# Altium PCB LF_UltraLight_JDY08.PcbDoc (part 2 of 2)
Units mil, origin at the board's own origin, x right, y up, seen from the top; angles counter-clockwise.
Board outline 5133.86 x 1917.32 mil, 4 copper layers (Top Layer, Int1 (GND), Int2 (PWR), Bottom Layer), stack 21.665 mil thick; 72 components, 77 nets, 407 pads, 150 vias.
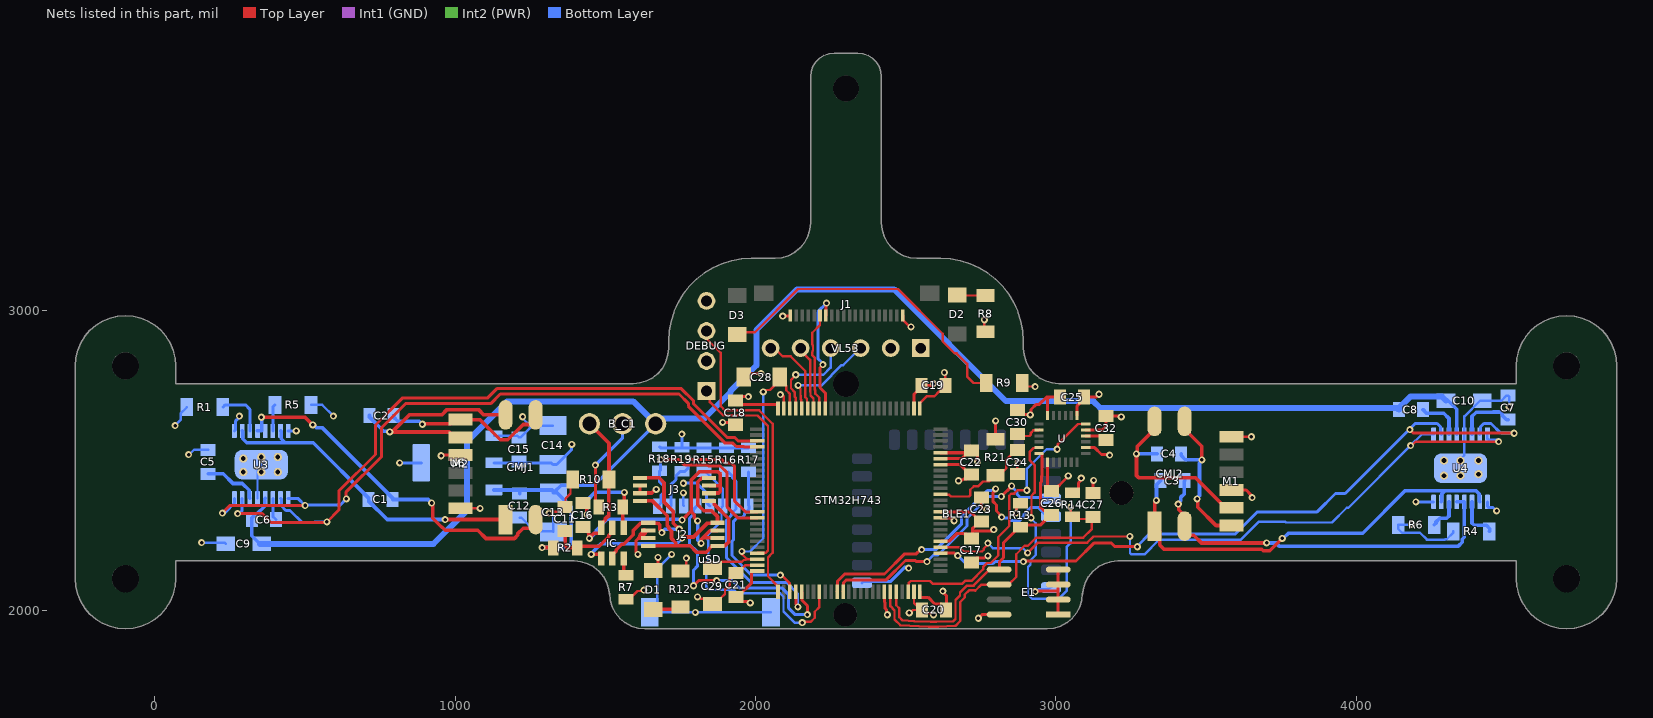
[diagram p4: the nets of this part, all layers, seen from the top]

## Via types
v1: diameter 23.62/23.62/23.62/23.62 (per signal layer), hole 11.81, Top Layer to Bottom Layer, tented both sides, 84 vias
v2: diameter 23.62, hole 11.81, Top Layer to Bottom Layer, tented both sides, 66 vias

## Nets (pads, with @x,y where several pads share a name; then routed paths per layer and width w, separated by ;. In a path a pad name is that pad's centre, name@x,y a point inside that pad or via, vN(x,y) a via of type N, cw(c..) or ccw(c..) an arc to the next point about the centre after c; other vN are vias at no path point) (continued)
GND: BLE1.24 C5.2 C7.2 C9.2 C10.2 C11.1 C12.2 C13.2 C14.2 C15.2 C17.2 C18.2 C19.2 C20.2 C21.2 C22.2 C23.2 C24.2 C25.2 C26.2 C27.2 C28.1 C29.1 C30.2 C32.2 DEBUG.2 E1.1 E1.2 E1.3 E1.4 J1.20 J2.6 J2.7 J3.6 J3.7 M1.1 M2.1 pad.2@3218.5,2391.73 R1.2 R4.2 R5.2 R6.2 R7.1 R8.2 R9.2 R10.2 R12.2 STM32H743.10 STM32H743.19 STM32H743.26 STM32H743.49 STM32H743.74 STM32H743.94 STM32H743.99 U3.13 U3.17 U4.13 U4.17 U6.1 U.1 U.11 U.18 uSD.6 uSD.SH1 VL53.2 | length 5384.3
  Top Layer w8: M2.1@1017.72,2340.55 v1(1082.68,2340.55) ; v1(1312.99,2324.8) 1317.22,2324.8 1322.16,2329.75 1350.14,2329.75 1367.16,2346.76 1367.16,2373.06 1383.86,2389.76 1383.86,2429.06 R10.2@1391.81,2437.01 ; R7.1@1568.9,2037.4 1578.9,2037.4 1606.7,2065.2 1624.96,2065.2 v1(1627.95,2068.19) ; R12.2@1750,2131.89 1769.68,2151.57 v1(1769.68,2174.7) ; v1(1806.61,2045.79) 1810.51,2045.79 1816.57,2039.73 1838.3,2039.73 C29.1@1856.3,2021.73 1866.3,2021.73 1884.3,2039.73 1884.3,2041.78 1898.17,2055.65 1898.17,2070.19 1905.12,2077.15 1909.35,2077.15 1914.04,2081.84 1914.04,2109.28 1930.04,2125.28 1940.04,2125.28 1966.34,2151.57 STM32H743.74@2005.91,2151.57 ; v1(2082.79,2719.41) 2087.02,2719.41 2092.73,2713.7 2093.62,2713.7 2093.62,2674.09 STM32H743.49@2094.49,2673.23 ; v1(2511.81,1992.13) 2513.87,1992.13 2523.71,2001.97 C20.2@2553.86,2001.97 2556.14,1999.68 2558.49,1997.34 v1(2592.52,1986.22) ; STM32H743.99@2527.56,2062.99 2527.56,2025.39 C20.2@2550.98,2001.97 ; STM32H743.26@2547.24,2673.23 2547.24,2690.94 2569.43,2713.13 2595.02,2713.13 2610.89,2729 2615.89,2729 2631.89,2745 C19.2@2631.89,2750 2631.89,2789.37 2629.05,2792.21 v1(2629.05,2792.81) ; C23.2@2751.97,2377.24 2751.97,2346.46 2758.38,2340.04 2766.7,2340.04 v1(2769.68,2337.06) ; v1(2761.81,2968.5) 2761.81,2933.07 R8.2@2765.75,2929.13 ; C24.2@2872.05,2454.72 2872.05,2490.57 v1(2874.02,2492.54) ; R9.2@2887.72,2757.87 2899.53,2746.06 v1(2931.1,2746.06) ; M1.1@3584.65,2578.74 v1(3650.92,2578.74)
  Top Layer w10: v2(1608.27,2187.01) 1602.36,2192.91 1602.36,2233.27 1610.73,2241.63 1618.11,2249.02 ; J3.7@1615.16,2390.75 J3.6@1615.16,2416.34 ; J2.6@1627.95,2264.84 1635.83,2264.84 1636.73,2265.75 1641.73,2265.75 J2.6@1642.72,2266.73 ; v1(1890.26,2626.88) 1925.01,2626.88 C18.2@1933.07,2618.82 ; C28.1@1960.71,2777.56 1972.52,2789.37 v1(2017.72,2789.37) ; v1(2090.55,2980.32) 2115.24,2980.32 2116.14,2981.22 J1.20@2116.14,2982.28 ; STM32H743.94@2429.13,2062.99 2429.13,2027.99 2431.83,2025.3 2431.83,2007.69 2436.37,2003.14 2436.37,1988.83 v1(2438.98,1986.22) ; STM32H743.10@2616.14,2309.06 2651.57,2309.06 v1(2661.42,2299.21) ; STM32H743.19@2616.14,2486.22 2616.98,2487.06 2679.91,2487.06 2713.5,2453.46 C22.2@2718.5,2453.46 2703.5,2438.46 2692.4,2438.46 2688.93,2434.99 2678.33,2434.99 v1(2675.73,2432.39) ; C17.2@2718.5,2160.16 2733.5,2175.16 2762.73,2175.16 2769.86,2182.29 v1(2773.4,2182.29) ; C30.2@2872.05,2667.32 2887.05,2652.32 2912.64,2652.32 2913.39,2651.57 2917.46,2655.65 2917.46,2669.34 2935.13,2687.01 2944.88,2687.01 2968.5,2710.63 2978.3,2710.63 ; v1(2931.1,2062.99) 2933.07,2064.96 3007.87,2064.96 ; U.1@2972.44,2494.49 2972.44,2411.42 C26.2@2986.22,2397.64 2991.22,2397.64 3035.43,2441.85 3035.43,2442.91 v2(3041.34,2448.82) ; U.18@2972.44,2649.61 2972.44,2704.77 2978.3,2710.63 ; E1.1@3007.87,1986.61 E1.2@3007.87,2036.61 3007.87,2064.96 ; E1.4@3007.87,2136.61 E1.3@3007.87,2086.61 3007.87,2064.96 ; C25.2@3014.49,2710.63 2978.3,2710.63 ; U.11@3099.21,2601.57 3154.72,2601.57 3167.32,2614.17 C32.2@3167.32,2647.64 3215.23,2647.64 v1(3217.8,2645.07) ; C27.2@3124.02,2391.73 3124.02,2432.15 v1(3125.48,2433.61)
  Top Layer w12: 1610.73,2241.63 1642.22,2241.63 J2.7@1642.72,2241.14 ; J3.7@1615.16,2390.75 1616.05,2391.64 1654.24,2391.64 1666.15,2403.54 v1(1669.29,2403.54)
  Top Layer w20: 1618.11,2249.02 1627.95,2258.86 J2.6@1627.95,2264.84
  Int1 (GND) w8: v1@1220.42,2644.49 1221.34,2645.41 v1(1224.28,2645.41) ; v1@2628.09,2792.81 v1(2629.05,2792.81) ; v1@2874.02,2490.16 v1(2874.02,2492.54) ; v1(3650.92,2578.74) v1@3654.91,2574.75
  Bottom Layer w8: v1(66.93,2616.14) 85.3,2634.51 85.3,2656.17 R1.2@106.3,2677.17 ; v1(112.2,2519.69) 114.38,2519.69 130.13,2535.43 C5.2@177.17,2535.43 ; v1(155.51,2226.38) 232.28,2226.38 C9.2@236.22,2222.44 ; U3.13@341.54,2374.02 341.54,2473.43 U3.17@354.33,2486.22 ; R5.2@519.68,2685.04 557.09,2685.04 v1(594.49,2647.64) ; U6.1@1128.94,2582.68 1206.69,2582.68 C15.2@1212.6,2576.77 1217.6,2576.77 1248.56,2607.74 ; C12.2@1214.57,2309.76 1219.57,2309.76 1265.77,2263.56 1325.02,2263.56 C13.2@1326.77,2261.81 1326.77,2311.02 v1(1312.99,2324.8) ; v1(1224.28,2645.41) 1224.28,2640.63 1248.56,2616.35 1248.56,2607.74 ; C14.2@1324.8,2616.14 1256.97,2616.14 1248.56,2607.74 ; v1(1720.47,2187.01) 1673.17,2139.7 1673.17,2019.62 uSD.SH1@1647.64,1994.09 uSD.SH1@2051.57,1994.09 v1(1799.81,1994.09) ; v1(1759.62,2391.83) 1759.62,2350.09 uSD.6@1761.29,2348.43 ; v1(4185.04,2287.4) 4183.07,2285.43 R6.2@4139.76,2285.43 4139.76,2272.43 4152.76,2259.43 4212.41,2259.43 4235.63,2236.22 4295.28,2236.22 4296.83,2237.78 4301.83,2237.78 4322.83,2258.78 R4.2@4322.83,2263.78 ; U4.17@4347.44,2499.41 4347.44,2504.7 4360.24,2517.5 U4.13@4360.24,2586.61 4360.24,2646.76 4412.29,2698.82 C10.2@4419.29,2698.82 4483.9,2698.82 4500.91,2715.83 C7.2@4505.91,2715.83 4509.84,2711.89 v1(4509.84,2678.02)
  Bottom Layer w10: v1(2931.1,2062.99) 2934.78,2062.99 2942.17,2070.37 2973.92,2070.37 BLE1.24@2984.25,2080.71
  other v1: 2914.86,2651.57
I2C1_SCL: C27.1 E1.6 R14.2 STM32H743.95 U.23 | length 2131.6
  Top Layer w8: STM32H743.95@2448.82,2062.99 2448.82,2014.73 2462.79,2000.76 2462.79,1970.28 2481.63,1951.45 2576.03,1946.42 2609.01,1946.42 2665.4,1949.1 2681.72,1965.43 2681.72,2028.59 2696.66,2043.53 2696.66,2053.17 2710.61,2067.12 2730.34,2067.12 2731.49,2065.96 2752.14,2086.61 2842.52,2086.61 2867.89,2111.98 2867.89,2187.49 2896.06,2215.66 2907.12,2215.66 2933.82,2242.37 3090.88,2242.37 3120.08,2271.57 3120.08,2307.8 C27.1@3124.02,2311.73 3111.03,2327.73 3111.03,2310.51 3106.35,2305.82 3083.02,2305.12 3061.73,2305.12 R14.2@3055.12,2311.73 3049.21,2317.64 v2(3049.21,2344.54) ; v1(2917.73,2309.27) 2918.76,2310.3 2918.76,2382.34 2929.13,2392.71 2929.13,2484.4 2913.39,2500.15 2913.39,2529.59 2925.2,2541.4 2942.98,2541.4 U.23@2944.09,2542.52
  Bottom Layer w8: v1(2917.73,2309.27) 2917.73,2306.27 2933.07,2290.93 2933.07,2185.33 2915.51,2167.77 2915.51,2152.96 2907.29,2144.74 2907.29,2053.13 2921.59,2038.82 3009.08,2038.82 3035.88,2065.62 3035.88,2211.34 3049.21,2224.67 v2(3049.21,2344.54)
I2C1_SDA: C26.1 E1.5 R13.2 STM32H743.96 U.24 | length 1073.9
  Top Layer w8: STM32H743.96@2468.5,2062.99 2468.5,2017.66 2478.78,2007.38 2478.78,1977.91 2489.26,1967.44 2528.94,1965.09 2582.66,1962.41 2602.38,1962.41 2658.78,1965.09 2665.73,1972.05 2665.73,2035.21 2680.67,2050.15 2680.67,2059.79 2703.99,2083.11 2726.02,2083.11 2779.53,2136.61 E1.5@2811.02,2136.61
  Top Layer w10: E1.5@2811.02,2136.61 2811.02,2140.16 2811.95,2141.09 2811.95,2162.99 2825.34,2176.38 2825.34,2226.01 2876.89,2277.56 R13.2@2881.89,2277.56 2888.79,2284.46 2948.04,2284.46 2981.22,2317.64 C26.1@2986.22,2317.64 2971.22,2332.64 2960.58,2332.64 2948.35,2344.87 2948.35,2424.72 2952.76,2429.13 2952.76,2448.87 2954.45,2450.56 2954.45,2522.72 2954.33,2522.83 U.24@2944.09,2522.83
I2C_VL53_SCL: STM32H743.46 VL53.3 | length 341.2
  Top Layer w8: v2(2141.78,2750) 2141.78,2745.77 2149.6,2737.95 2149.6,2715.22 2149.85,2714.96 2149.85,2703.56 2151.64,2701.77 2151.64,2675.13 STM32H743.46@2153.54,2673.23
  Bottom Layer w8: v2(2141.78,2750) 2219.03,2750 2286.51,2817.48 2291.89,2817.48 2348.43,2874.02 VL53.3@2350,2874.02
I2C_VL53_SDA: STM32H743.47 VL53.4 | length 316.3
  Top Layer w8: STM32H743.47@2133.86,2673.23 2133.86,2708.34 2130.17,2712.03 2130.17,2727.94 2117.97,2740.14 2117.97,2767.68 2133.86,2783.57 v1(2133.86,2785.46)
  Bottom Layer w8: v1(2133.86,2785.46) 2226.4,2785.46 2250,2809.06 VL53.4@2250,2874.02
M1_IN1: STM32H743.5 U4.9 U4.16 | length 2281.5
  Top Layer w8: STM32H743.5@2616.14,2210.63 2679.34,2210.63 2693.12,2196.85 2754.29,2196.85 2759.94,2202.51 2759.94,2206.5 2773.62,2220.18 v1(2773.62,2224.41) ; v2(2905.92,2191.85) 2940.45,2226.38 3104.33,2226.38 3124.78,2246.83 v2(3246.48,2246.83) ; v1(4181.1,2549.21) 4185.04,2549.21 4198.33,2562.51 v2@4474.35,2562.51
  Bottom Layer w8: v1(2773.62,2224.41) 2789.9,2208.13 2889.64,2208.13 v2(2905.92,2191.85) ; v2(3246.48,2246.83) 3246.82,2246.49 3246.82,2191.69 3251.51,2187.01 3295.28,2187.01 3344.49,2236.22 3616.14,2236.22 3675.2,2295.28 3763.78,2295.28 3765.75,2293.31 3919.29,2293.31 3968.5,2342.52 3974.41,2342.52 v1(4181.1,2549.21) 4218.5,2586.61 U4.9@4257.87,2586.61 ; U4.16@4437.01,2586.61 4437.01,2572.83 4440.88,2568.96 4474.35,2568.96 v2(4474.35,2562.93)
M1_IN2: STM32H743.4 U4.10 U4.15 | length 2411.5
  Top Layer w10: STM32H743.4@2616.14,2190.94 2661.67,2190.94 ; v1(2891.7,2162.83) 2894.19,2165.32 3067.3,2165.32 3126.39,2224.41 3185.16,2224.41 3196.98,2212.6 v2(3271.65,2212.6) ; v2(4179.13,2602.36) 4190.94,2590.55 v2(4525.98,2590.55)
  Bottom Layer w10: v2(2673.23,2183.07) 2698.82,2157.48 2791.34,2157.48 2796.68,2162.83 v1(2891.7,2162.83) ; v2(3271.65,2212.6) 3271.65,2215.38 3311.32,2255.04 3597.56,2255.04 3671.26,2328.74 3870.08,2328.74 3931.1,2389.76 3963.35,2389.76 v2@4175.95,2602.36 ; v2@4175.2,2602.36 v2@4175.95,2602.36 ; v2(4179.13,2602.36) v2@4175.95,2602.36 ; U4.10@4283.46,2586.61 4280.59,2589.49 4280.59,2612.45 4269.93,2623.11 4196.7,2623.11 v2@4175.95,2602.36 ; U4.15@4411.42,2586.61 4414.29,2589.49 4414.29,2612.45 4424.95,2623.11 4449.06,2623.11 4481.62,2590.55 v2(4525.98,2590.55)
M2_IN1: STM32H743.54 U3.9 U3.16 | length 2221.8
  Top Layer w10: v2(224.41,2324.8) 250,2350.39 499.38,2350.39 v1(499.82,2349.96) ; v2(637.27,2372.04) 635.83,2372.04 635.83,2393.7 753.94,2511.81 753.94,2608.27 834.65,2688.98 1118.11,2688.98 1150.16,2721.02 1745.22,2721.02 1776.09,2690.15 1776.09,2680.51 1898.97,2557.64 1924.26,2557.64 1935.79,2546.1 1961.12,2546.1 1961.95,2545.28 STM32H743.54@2005.91,2545.28
  Bottom Layer w10: v2@233.91,2327.41 264.76,2358.27 U3.16@264.76,2374.02 ; U3.9@443.9,2374.02 475.76,2374.02 v1(499.82,2349.96) 502.22,2352.36 617.58,2352.36 v2(637.27,2372.04)
M2_IN2: STM32H743.53 U3.10 U3.15 | length 2361.4
  Top Layer w10: v2(275.59,2322.83) 356.96,2322.83 386.49,2293.31 570.87,2293.31 v2(572.83,2295.28) 612.46,2334.9 612.46,2397.89 734.25,2519.69 734.25,2618.11 824.8,2708.66 1108.27,2708.66 1138.62,2739.02 1752.67,2739.02 1794.09,2697.6 1794.09,2687.97 1906.42,2575.63 1931.71,2575.63 1942.38,2564.96 STM32H743.53@2005.91,2564.96
  Bottom Layer w10: v2(275.59,2322.83) 279.53,2322.83 290.35,2333.66 U3.15@290.35,2374.02 ; U3.10@418.31,2374.02 421.18,2371.14 421.18,2348.01 435.71,2333.48 449.98,2333.48 490.16,2293.31 529.53,2293.31 531.5,2295.28 v2(572.83,2295.28)
MPU6050_INT: STM32H743.98 U.12 | length 995.9
  Top Layer w8: STM32H743.98@2507.87,2062.99 2509.78,2064.9 2509.78,2091.53 2516.74,2098.49 2580.61,2098.49 2590.32,2088.77 2687.03,2088.77 2697.36,2099.1 2719.24,2099.1 2757.81,2137.67 2757.81,2145.61 2770.53,2158.33 2783.26,2158.33 2808.35,2183.41 2808.35,2245.15 2844.85,2281.65 2844.85,2382.31 2851.97,2389.43 2860.93,2389.43 2872.29,2400.8 v2(2903.54,2400.8) ; v2(3003.94,2537.4) 3006.93,2540.39 3006.93,2554.17 3074.02,2621.26 U.12@3099.21,2621.26
  Bottom Layer w8: v2(2903.54,2400.8) 2903.54,2472.23 2968.71,2537.4 v2(3003.94,2537.4)
NET_D: J2.1 J2.8 J3.1 J3.8 | length 687.2
  Top Layer w12: J3.8@1615.16,2365.16 1656.78,2365.16 1706.39,2315.55 1706.39,2282.78 1710.63,2278.54 1710.63,2273.62 1720.12,2264.13 1720.12,2240.23 1734.25,2226.1 1734.25,2215.55 ; J2.8@1642.72,2215.55 1734.25,2215.55 ; J3.1@1845.47,2365.16 1862.2,2365.16 1863.09,2364.27 1863.09,2353.44 1910.53,2306.01 1910.53,2228.51 1898.46,2216.44 1873.92,2216.44 J2.1@1873.03,2215.55 1856.3,2215.55 1835.46,2194.71 1803.32,2194.71 1782.48,2215.55 1734.25,2215.55
NetC5_1: C5.1 U3.14 | length 186.8
  Bottom Layer w12: C5.1@177.17,2455.43 227.53,2455.43 259.83,2423.13 291.2,2423.13 314.07,2400.26 314.07,2375.89 U3.14@315.94,2374.02
NetC6_1: C6.1 U3.11 | length 75.1
  Bottom Layer w10: U3.11@392.72,2374.02 392.72,2313.27 C6.1@402.83,2303.15
NetC7_1: C7.1 U4.14 | length 199.7
  Bottom Layer w12: U4.14@4385.83,2586.61 4385.83,2646.91 4399.86,2660.94 4456.04,2660.94 4456.51,2661.42 4479.88,2661.42 4486.91,2654.39 4486.91,2649.83 4500.91,2635.83 C7.1@4505.91,2635.83
NetC8_1: C8.1 U4.11 | length 152
  Bottom Layer w12: C8.1@4222.44,2669.29 4234.25,2657.48 4235.51,2657.48 4291.34,2657.48 4309.06,2639.76 U4.11@4309.06,2586.61
NetC11_2: C11.2 IC.5 R2.2 | length 247.6
  Top Layer w12: C11.2@1366.14,2265.75 1366.74,2265.15 1366.74,2215.69 1373.77,2208.66 R2.2@1406.77,2208.66 1412.45,2214.34 1479.04,2214.34 1510.92,2246.22 1510.92,2250.09 1523.62,2262.8 IC.5@1523.62,2275.59
NetC16_1: C16.1 IC.4 R3.2 | length 368
  Top Layer w12: C16.1@1411.2,2344.27 1419.29,2352.36 1430.44,2352.36 1438.54,2344.27 v2(1438.54,2320.46) ; IC.4@1561.02,2275.59 1558.34,2278.28 R3.2@1558.35,2344.49 1562.99,2349.13 v2(1562.99,2393.7)
  Int2 (PWR) w12: v2(1438.54,2320.46) 1440.76,2322.68 v2@1444.73,2322.68
  Bottom Layer w12: v2(1438.54,2320.46) 1438.54,2366.68 1465.56,2393.7 v2(1562.99,2393.7)
NetC30_1: C30.1 U.20 | length 86.3
  Top Layer w8: C30.1@2872.05,2587.32 2877.95,2581.42 2911.98,2581.42 2916.67,2586.1 2916.67,2591.93 2925.2,2600.46 2942.98,2600.46 U.20@2944.09,2601.57
NetC32_1: C32.1 U.10 | length 74
  Top Layer w10: U.10@3099.21,2581.89 3153.07,2581.89 C32.1@3167.32,2567.64
NetD1_1: D1.1 R12.1 | length 93.9
  Top Layer w12: D1.1@1659.45,2003.86 1741.97,2003.86 R12.1@1750,2011.89
NetD2_1: D2.1 R8.1 | length 95.3
  Top Layer w8: D2.1@2671.26,3051.18 2673.31,3049.13 R8.1@2765.75,3049.13
NetD3_1: D3.1 R9.1 | length 1061
  Top Layer w8: D3.1@1938.98,2919.21 1946.2,2926.43 1997.3,2926.43 2141.73,3070.87 2474.41,3070.87 2623.51,2921.76 2623.51,2896.14 2663.36,2856.29 2669.3,2856.29 2704.28,2821.31 2704.28,2779.08 2725.48,2757.87 R9.1@2767.72,2757.87
NetIC_3: IC.3 R7.2 | length 59.1
  Top Layer w12: IC.3@1561.02,2173.23 1561.02,2125.28 R7.2@1568.9,2117.4
NetR1_1: R1.1 U3.3 | length 170.9
  Bottom Layer w10: R1.1@226.3,2677.17 234.17,2685.04 301.18,2685.04 315.94,2670.28 U3.3@315.94,2598.43
NetR4_1: R4.1 U4.3 | length 148.8
  Bottom Layer w12: U4.3@4385.83,2362.2 4385.83,2290.87 4392.86,2283.84 4433.8,2283.84 4444.8,2272.84 4444.8,2263.78 R4.1@4442.83,2263.78
NetR5_1: R5.1 U3.6 | length 89.5
  Bottom Layer w10: U3.6@392.72,2598.43 392.72,2678.07 R5.1@399.68,2685.04
NetR6_1: R6.1 U4.6 | length 111.2
  Bottom Layer w12: R6.1@4259.76,2285.43 4265.71,2291.38 4265.71,2295.23 4278.14,2307.65 4302.03,2307.65 4309.06,2314.68 U4.6@4309.06,2362.2
OC: IC.2 J2.5 J3.5 | length 581.3
  Top Layer w12: IC.2@1523.62,2173.23 1523.62,2186.02 1536.32,2198.72 1536.32,2202.6 1554.87,2221.15 1560.65,2221.15 1592.52,2253.02 1592.52,2266.67 1617.28,2291.43 1641.83,2291.43 J2.5@1642.72,2292.32 1643.61,2291.43 1674.96,2291.43 1681.1,2285.29 1681.1,2269.79 1688.04,2262.86 v2(1688.04,2259.71) ; J3.5@1615.16,2441.93 1678.99,2441.93 1695.1,2425.82 1695.1,2361.37 1726.38,2330.1 1726.38,2291.06 v2(1745.93,2271.5)
  Bottom Layer w12: v2(1688.04,2259.71) 1690.94,2262.62 1690.94,2263.58 1698.87,2271.5 v2(1745.93,2271.5)
OD: IC.1 J2.4 J3.4 | length 739.9
  Top Layer w12: v2(1452.75,2187) 1481.39,2187 1481.39,2190.85 1481.39,2183.07 1486.22,2178.24 IC.1@1486.22,2173.23 ; v2(1755.5,2241.36) 1757.72,2243.59 1765.24,2243.59 1766.73,2245.08 1793.37,2245.08 1839.73,2291.43 1872.14,2291.43 J2.4@1873.03,2292.32 1873.03,2293.12 1873.13,2293.21 1873.13,2313.09 1853.41,2332.8 1827.69,2332.8 1807.98,2352.52 1807.98,2428.98 1820.04,2441.04 1844.58,2441.04 J3.4@1845.47,2441.93
  Bottom Layer w12: v2(1452.75,2187) 1452.75,2190.15 1471.95,2209.34 1471.95,2210.14 1484.25,2222.44 1736.57,2222.44 v2(1755.5,2241.36)
PB+: B_C1.1 C6.2 C8.2 C9.1 C10.1 C12.1 C13.1 R2.1 U3.12 U4.12 U6.3 | length 6102.1
  Top Layer w12: v2(1288.96,2210) 1325.43,2210 R2.1@1326.77,2208.66
  Bottom Layer w10: C9.1@349.22,2222.44 C9.1@356.22,2222.44
  Bottom Layer w12: C9.1@349.22,2222.44 322.83,2248.83 C6.2@322.83,2303.15 322.83,2308.15 336.83,2322.15 339.63,2322.15 365.25,2347.77 365.25,2372.14 U3.12@367.13,2374.02 ; U6.3@1128.94,2401.57 C12.1@1214.57,2401.57 ; v2(1288.96,2210) 1371.58,2210 1385.65,2224.06 1385.65,2345.94 1339.77,2391.81 1333.27,2391.81 C13.1@1330.02,2395.06 ; C13.1@1326.77,2391.81 C13.1@1330.02,2395.06 ; B_C1.1@1667.32,2622.05 1463.09,2417.81 1352.77,2417.81 C13.1@1330.02,2395.06 ; C10.1@4299.29,2698.82 4306.29,2698.82 4334.65,2670.46 U4.12@4334.65,2586.61 ; C12.1@1214.57,2389.76 C12.1@1214.57,2401.57 ; C12.1@1214.57,2389.76 C12.1@1214.57,2401.57 ; C12.1@1214.57,2389.76 C12.1@1214.57,2401.57 ; C12.1@1214.57,2389.76 C12.1@1214.57,2401.57 ; C12.1@1214.57,2401.57 1323.51,2401.57 C13.1@1330.02,2395.06
  Bottom Layer w20: C9.1@349.22,2222.44 927.7,2222.44 1039.4,2334.13 1039.4,2563.53 1172.71,2696.85 1592.52,2696.85 B_C1.1@1667.32,2622.05 1672.56,2622.05 1690.28,2639.76 1829.79,2639.76 1916.13,2726.11 1916.13,2729.94 2002.47,2816.29 2002.47,2934.4 2137.89,3069.81 2461.68,3069.81 2834.12,2697.38 3124.64,2697.38 3147.13,2674.88 4136.85,2674.88 C8.2@4142.44,2669.29 ; C8.2@4142.44,2674.29 4180.31,2712.17 4285.94,2712.17 C10.1@4299.29,2698.82
PWM1_M1: C3.1 CMJ2.1 U4.2 U4.7 | length 1455.1
  Top Layer w12: v2(3334.65,2366.93) 3328.74,2361.03 CMJ2.1@3328.74,2281.5 3346.36,2263.87 3346.36,2218.6 3360.24,2204.72 3685.94,2204.72 3691.31,2199.35 3712.69,2199.35 v2(3753.94,2240.6)
  Bottom Layer w12: v2@3335.13,2370.57 3335.13,2419.07 C3.1@3349.13,2433.07 ; v2(3753.94,2240.6) 3757.08,2240.6 3774.36,2257.87 4021.65,2257.87 4163.48,2399.7 4296.59,2399.7 ; U4.7@4283.46,2362.2 4285.34,2364.08 4285.34,2388.45 4296.59,2399.7 ; U4.2@4411.42,2362.2 4409.54,2364.08 4409.54,2388.45 4398.29,2399.7 4296.59,2399.7
PWM1_M2: C1.1 CMJ1.1 U3.2 U3.7 | length 1065.4
  Top Layer w12: v2(966.25,2303.15) CMJ1.1@1167.72,2303.15
  Bottom Layer w12: U3.2@290.35,2598.43 292.23,2596.55 292.23,2572.18 305.35,2559.06 433.3,2559.06 ; U3.7@418.31,2598.43 420.18,2596.55 420.18,2572.18 433.3,2559.06 ; v2(966.25,2303.15) 773.27,2303.15 711.34,2365.08 C1.1@711.34,2370.08 711.34,2375.08 527.36,2559.06 433.3,2559.06
PWM2_M1: C3.2 CMJ2.2 U4.4 U4.5 | length 1298.1
  Top Layer w12: v2(3407.48,2354.33) 3409.7,2352.11 3409.7,2335.66 3428.74,2316.62 3428.74,2267.55 3445.02,2251.27 3458.97,2251.27 3485.07,2225.16 v2(3702,2225.16)
  Bottom Layer w12: v2(3407.48,2354.33) 3407.48,2357.48 3415.35,2365.35 3415.35,2376.29 3427.17,2388.1 3427.17,2431.1 C3.2@3429.13,2433.07 ; v2(3702,2225.16) 3732.87,2225.16 3743.25,2214.79 4340.46,2214.79 4353.71,2228.03 4353.71,2237.57 4360.24,2244.09 U4.4@4360.24,2362.2 U4.5@4334.65,2362.2
PWM2_M2: C1.2 CMJ1.2 U3.4 U3.5 | length 1208.2
  Top Layer w12: v2(354.33,2643.7) 500,2643.7 v2(525.59,2618.11) ; v2(921.26,2358.27) 925.2,2354.33 925.2,2307.7 955.56,2277.34 956.91,2277.34 966.54,2267.72 1074.8,2267.72 1102.46,2240.06 1197.09,2240.06 1208.44,2251.42 1208.44,2256.75 1226.09,2274.41 1251.44,2274.41 1267.72,2290.69 CMJ1.2@1267.72,2303.15
  Bottom Layer w12: U3.4@341.54,2598.43 356.3,2598.43 356.3,2641.73 v2(354.33,2643.7) ; v2(525.59,2618.11) 528.59,2618.11 538.43,2608.27 558.15,2608.27 791.34,2375.08 C1.2@791.34,2370.08 909.45,2370.08 v2(921.26,2358.27)
PWMM11: C4.1 CMJ2.4 M1.5 | length 634.6
  Top Layer w12: CMJ2.4@3328.74,2629.92 3328.74,2604.33 3270.66,2546.25 3270.66,2523.88 v2(3268.44,2521.65) 3268.44,2449.94 3275.47,2442.91 3464.57,2442.91 3564.96,2342.52 M1.5@3584.65,2342.52
  Bottom Layer w12: v2(3268.44,2521.65) C4.1@3337.32,2521.65
PWMM12: C4.2 CMJ2.3 M1.6 | length 519.8
  Top Layer w12: CMJ2.3@3428.74,2629.92 3428.74,2604.33 3486.22,2546.85 v2(3486.22,2501.97) ; v1(3470.47,2372.05) 3472.7,2369.82 3472.7,2344.23 3533.46,2283.46 M1.6@3584.65,2283.46
  Bottom Layer w12: C4.2@3417.32,2521.65 3417.32,2516.65 3431.32,2502.65 3436.32,2502.65 3437.01,2501.97 v2(3486.22,2501.97) ; v1(3470.47,2372.05) 3470.47,2375.19 3478.35,2383.07 3478.35,2490.95
PWMM21: C2.1 CMJ1.4 M2.5 | length 752.6
  Top Layer w12: v2(781.78,2594.78) v2@789.66,2594.78 ; M2.5@1017.72,2576.77 998.03,2576.77 980.03,2594.78 v2@789.66,2594.78 ; CMJ1.4@1167.72,2651.57 1095.15,2651.57 1077.34,2669.39 972.6,2669.39 954.79,2651.57 846.46,2651.57 v2@789.66,2594.78
  Bottom Layer w12: C2.1@714.57,2649.61 714.57,2644.61 762.17,2597 779.56,2597 v2(781.78,2594.78)
PWMM22: C2.2 CMJ1.3 M2.6 | length 560.2
  Top Layer w12: v2@895.26,2622.14 984.35,2622.14 998.03,2635.83 1082.63,2635.83 1149.56,2568.9 1175.33,2568.9 1226.09,2619.67 1251.44,2619.67 1267.72,2635.95 CMJ1.3@1267.72,2651.57
  Bottom Layer w12: C2.2@794.57,2649.61 794.57,2644.61 808.57,2630.61 880.54,2630.61 v2(890.56,2620.59)
RESET: C24.1 R21.2 STM32H743.14 | length 350.6
  Top Layer w8: STM32H743.14@2616.14,2387.8 2618.05,2385.89 2644.68,2385.89 2650.65,2379.92 2710.41,2379.92 2715.09,2384.61 2715.09,2402.16 2726.32,2413.39 2740.81,2413.39 2757.21,2429.79 2778.21,2429.79 R21.2@2799.21,2450.79 2812.21,2450.79 2835.17,2473.75 2835.17,2502.85 2867.05,2534.72 C24.1@2872.05,2534.72
SenD1: J1.14 STM32H743.42 | length 422.9
  Top Layer w10: v2(2224.41,2818.9) 2214.57,2809.06 2214.57,2742.13 2232.28,2724.41 STM32H743.42@2232.28,2673.23 ; J1.14@2234.25,2982.28 2235.16,2983.19 2235.16,3022.56 v2(2236.22,3023.62)
  Bottom Layer w10: v2(2224.41,2818.9) 2224.41,2822.58 2207.47,2839.52 2207.47,2994.87 v2(2236.22,3023.62)
SenD2: J1.15 STM32H743.43 | length 330
  Top Layer w8: STM32H743.43@2212.6,2673.23 2212.6,2708.66 2198.82,2722.44 2198.82,2733.84 2197.57,2735.09 2197.57,2841.39 2191.32,2847.64 2188.98,2849.99 2188.98,2859.68 ccw(c2150,2874.02) 2188.98,2888.35 2188.98,2925.01 2214.57,2950.6 J1.15@2214.57,2982.28
SWCLK: DEBUG.3 STM32H743.76 | length 1032.6
  Top Layer w8: DEBUG.3@1828.74,2913.39 1883.86,2858.27 1883.86,2680.88 1898.06,2666.69 2012.49,2666.69 2057.39,2621.78 2057.39,2193.18 2041.4,2177.19 2041.4,2114.11 2074.8,2080.71 STM32H743.76@2074.8,2062.99
SWDIO: DEBUG.1 STM32H743.72 | length 714.5
  Top Layer w8: DEBUG.1@1828.74,2713.39 1840.05,2713.39 1847.86,2705.57 1847.86,2694.26 1891.43,2650.69 1962.99,2650.69 1964.08,2649.61 2006.95,2649.61 2041.4,2615.15 2041.4,2199.81 2034.45,2192.85 2007.81,2192.85 STM32H743.72@2005.91,2190.94
USART2_BLE_stmRX: BLE1.19 STM32H743.87 | length 894.9
  Top Layer w10: STM32H743.87@2291.34,2062.99 2292.24,2063.9 2292.24,2091.95 2302.66,2102.36 2435.38,2102.36 2499.57,2166.54 2531.79,2166.54 2534.95,2163.39 v1(2570.87,2163.39) ; v1(2818.9,2379.92) 2818.9,2380.5 2852.66,2414.27 v1(2852.66,2414.84)
  Bottom Layer w10: v1(2570.87,2163.39) 2592.24,2184.76 2607.5,2184.76 2704.22,2281.48 2704.22,2306.68 2777.46,2379.92 v1(2818.9,2379.92) ; v1(2852.66,2414.84) 2852.66,2412.3 2870.35,2394.61 2870.35,2387.54 2881.91,2375.98 BLE1.19@2984.25,2375.98
USART2_BLE_stmTX: BLE1.20 STM32H743.86 | length 1002.8
  Top Layer w10: STM32H743.86@2271.65,2062.99 2272.56,2063.9 2272.56,2097.71 2296.9,2122.05 2429.62,2122.05 2496.55,2188.98 2535.43,2188.98 2549.21,2202.76 v1(2553.15,2202.76) ; v1(2799.21,2405.51) 2799.21,2401.83 2791.34,2393.95 2791.34,2362.2 2802.15,2351.39 2802.15,2331.46 2819.07,2314.54 v1(2819.07,2311.22)
  Bottom Layer w10: v1(2553.15,2202.76) 2600.05,2202.76 2686.23,2288.94 2686.23,2314.13 2771.75,2399.65 v1@2789.37,2399.65 ; v1(2819.07,2311.22) 2821.68,2308.61 2841.48,2308.61 2850.88,2299.21 2878.22,2299.21 2893.47,2314.47 2893.47,2320.1 2915.9,2342.52 2942.64,2342.52 2968.23,2316.93 BLE1.20@2984.25,2316.93
uSD_CLK: STM32H743.80 uSD.5 | length 837.2
  Top Layer w10: v2(1793.31,2082.68) 1810.55,2099.92 v2(1870.08,2099.92) ; STM32H743.80@2153.54,2062.99 2154.45,2062.09 2154.45,2034.04 2172.77,2015.72 v2(2172.77,1986.68) v2@2173.23,1986.22
  Bottom Layer w10: v2(1793.31,2082.68) 1793.31,2134.54 1806.28,2147.51 1806.28,2195.69 1780.31,2221.66 1780.31,2307.07 1793.84,2320.61 1793.84,2337.68 uSD.5@1804.59,2348.43 ; v2(1870.08,2099.92) 1870.55,2100.39 1921.26,2100.39 1946.85,2074.8 2088.58,2074.8 2110.44,2052.95 2110.44,2007.87 2130.51,1987.8 2131.24,1987.8 2132.35,1986.68 v2(2172.77,1986.68)
uSD_CMD: R15.2 STM32H743.83 uSD.3 | length 975
  Top Layer w8: v2(2155.41,1960.1) 2157.72,1962.41 2183.09,1962.41 2197.04,1976.36 2197.04,1996.25 2212.6,2011.81 STM32H743.83@2212.6,2062.99
  Bottom Layer w8: R15.2@1828.96,2461.97 1833.96,2461.97 1891.21,2404.72 uSD.3@1891.21,2348.43 1886.55,2343.77 1886.55,2297.97 1840.55,2251.97 1840.55,2236.43 1842.52,2234.46 1842.52,2159.29 1836.43,2153.19 1836.43,2078.02 1845.24,2069.2 1928.42,2069.2 1940.54,2057.09 2082.15,2057.09 2092.98,2046.26 2092.98,1997.12 2130,1960.1 v2(2155.41,1960.1)
uSD_D0: R19.2 STM32H743.65 uSD.7 | length 567.9
  Top Layer w10: v1(1774.85,2509.13) 1778.53,2509.13 1785.35,2502.31 1887.53,2502.31 1897.71,2492.13 1919.29,2492.13 1929.13,2482.28 1929.13,2365.94 1966.34,2328.74 STM32H743.65@2005.91,2328.74
  Bottom Layer w10: uSD.7@1717.98,2348.43 1717.98,2418.77 1734.95,2435.74 1734.95,2448.94 1749.95,2463.94 R19.2@1754.95,2463.94 1764.85,2463.94 1774.85,2473.94 1774.85,2506.62 1773.59,2507.87 v1(1774.85,2509.13)
uSD_D1: R18.2 STM32H743.66 uSD.8 | length 639.2
  Top Layer w10: v2(1684.13,2503.03) 1745.85,2503.03 1764.57,2484.32 1839.89,2484.32 1842.52,2481.69 1882.71,2481.69 1905.51,2458.88 1905.51,2344.49 1940.94,2309.06 STM32H743.66@2005.91,2309.06
  Bottom Layer w10: uSD.8@1674.41,2347.87 1685.16,2358.62 1685.16,2384.32 1694.1,2393.27 1694.1,2415.15 1680.94,2428.31 R18.2@1680.94,2465.2 1684.13,2468.39 v2(1684.13,2503.03)
uSD_D2: R17.2 STM32H743.78 uSD.1 | length 571.2
  Top Layer w10: v1(2082.68,2118.11) 2085.28,2115.5 2089.71,2115.5 2113.27,2091.95 2113.27,2063.9 STM32H743.78@2114.17,2062.99
  Bottom Layer w10: R17.2@1976.98,2461.97 1976.98,2349.27 uSD.1@1977.82,2348.43 1977.82,2338.59 1963.14,2323.9 1963.14,2317.51 1955.59,2309.96 1939.36,2309.96 1927.17,2297.77 1927.17,2236.78 1921.28,2230.9 1921.28,2183.18 1986.35,2118.11 v1(2082.68,2118.11)
uSD_D3: R16.2 STM32H743.79 uSD.2 | length 688.1
  Top Layer w10: v2@2133.86,2020.54 STM32H743.79@2133.86,2062.99
  Bottom Layer w10: R16.2@1902.97,2461.97 1907.97,2461.97 1922.97,2446.97 1922.97,2441.97 1934.51,2430.43 1934.51,2338.59 1919.83,2323.9 1919.83,2317.51 1903.54,2301.22 1903.54,2238.6 1903.29,2238.35 1903.29,2175.73 1985.72,2093.3 2103.55,2093.3 2139.68,2057.17 2139.68,2013.72 v2(2140.79,2012.61)
VC: B_C1.2 R3.1 | length 328.7
  Top Layer w10: v2(1466.54,2484.25) 1466.54,2356.3 R3.1@1478.35,2344.49 ; B_C1.2@1557.09,2613.32 B_C1.2@1557.09,2622.05
  Bottom Layer w10: v2(1466.54,2484.25) 1556.12,2573.83 1556.12,2621.08 B_C1.2@1557.09,2622.05
VCAP: C28.2 C29.2 STM32H743.48 STM32H743.73 | length 963.6
  Top Layer w8: C29.2@1856.3,2141.73 1877.3,2162.73 1954.88,2162.73 1960.54,2168.39 1967.6,2168.39 1970.47,2171.26 ; v2(1954.28,2196.85) 1954.28,2188.19 1970.47,2172 1970.47,2171.26 ; STM32H743.73@2005.91,2171.26 1970.47,2171.26 ; v2(2025.59,2728.35) 2031.71,2734.47 2047.62,2734.47 2080.71,2767.56 C28.2@2080.71,2770.56 ; C28.2@2080.71,2777.56 C28.2@2080.71,2770.56 ; STM32H743.48@2114.17,2673.23 2114.17,2721.32 2101.98,2733.51 2101.98,2733.9 2101.71,2734.17 2101.71,2749.56 C28.2@2080.71,2770.56
  Bottom Layer w8: v2(1954.28,2196.85) 1981.46,2196.85 2025.59,2240.98 v2(2025.59,2728.35)
VCC: BLE1.1 C14.1 C15.1 C17.1 C18.1 C19.1 C20.1 C21.1 C22.1 C23.1 C25.1 D1.2 DEBUG.4 E1.8 J1.1 M1.4 M2.4 R13.1 R14.1 R15.1 R16.1 R17.1 R18.1 R19.1 R21.1 STM32H743.6 STM32H743.11 STM32H743.20 STM32H743.21 STM32H743.27 STM32H743.50 STM32H743.75 STM32H743.100 U3.1 U3.8 U4.1 U4.8 U6.2 U6.4 U.8 U.13 uSD.4 VL53.1 | length 3313.2
  Top Layer w10: v1(952.76,2515.75) 954.72,2517.72 M2.4@1017.72,2517.72 ; D1.2@1659.45,2133.86 1675.2,2149.61 v1(1675.2,2177.17) ; v1(1975.88,2712.6) 1946.85,2712.6 C18.1@1933.07,2698.82 1944.88,2687.01 2073.9,2687.01 2074.8,2686.1 STM32H743.50@2074.8,2673.23 ; v1(1982.28,2025.59) 1977.6,2030.28 1950.04,2030.28 C21.1@1935.04,2045.28 1940.04,2045.28 1987.28,2092.52 1987.28,2130.98 1988.19,2131.89 STM32H743.75@2005.91,2131.89 ; J1.1@2490.16,2982.28 2491.06,2981.38 2491.06,2967.6 2511.28,2947.38 2515.01,2947.38 v1(2517.61,2944.78) ; STM32H743.27@2527.56,2673.23 2527.56,2720.67 2551.89,2745 C19.1@2551.89,2750 2586.61,2750 2592.08,2755.46 v1(2592.08,2755.91) ; STM32H743.100@2547.24,2062.99 2547.24,2045.28 2548.15,2044.37 2574.66,2044.37 2597.06,2021.97 2618.86,2021.97 2633.86,2006.97 C20.1@2633.86,2001.97 2635.83,2003.94 2635.83,2049.46 2624.02,2061.27 v1(2624.02,2064.96) ; STM32H743.6@2616.14,2230.31 2617.05,2231.22 2639.5,2231.22 2645.1,2231.22 2669.78,2255.91 2692.65,2255.91 2693.39,2255.16 2703.5,2255.16 C17.1@2718.5,2240.16 2722.44,2244.09 2722.44,2265.75 ; STM32H743.11@2616.14,2328.74 2715.47,2328.74 C23.1@2746.97,2297.24 ; STM32H743.20@2616.14,2505.91 2685.94,2505.91 C22.1@2705.63,2525.59 ; STM32H743.21@2616.14,2525.59 C22.1@2705.63,2525.59 ; v1(2739.55,2495.65) 2739.55,2497.43 2738.72,2498.27 2738.72,2517.94 2723.19,2533.46 C22.1@2718.5,2533.46 2713.5,2533.46 C22.1@2705.63,2525.59 ; v1(2742.13,1974.41) 2742.48,1974.41 2754.68,1986.61 E1.8@2811.02,1986.61 ; C23.1@2751.97,2297.24 C23.1@2746.97,2297.24 ; v1(2793.31,2269.69) 2789.62,2269.69 2785.68,2265.75 2722.44,2265.75 ; R21.1@2799.21,2570.79 v1(2799.21,2631.89) ; v1(2868.66,2324.75) 2868.66,2347.56 2878.66,2357.56 R13.1@2881.89,2357.56 ; R14.1@3055.12,2391.73 3060.12,2391.73 3075.12,2406.73 3075.12,2425.51 3082.68,2433.07 3082.68,2438.98 v1(3084.65,2440.94) ; U.13@3070.87,2649.61 3070.87,2682.01 3094.49,2705.63 C25.1@3094.49,2710.63 3133.86,2710.63 v1(3143.7,2720.47) ; U.8@3099.21,2542.52 3129.23,2542.52 3152.32,2519.43 3177.42,2519.43 v1(3179.13,2517.72) ; M1.4@3584.65,2401.57 3633.86,2401.57 3650.94,2384.5 3650.94,2378.59 v1(3653.54,2375.98) ; 2722.44,2265.75 2722.44,2275.16 2724.9,2275.17 C23.1@2746.97,2297.24
  Int2 (PWR) w10: v1(2517.61,2944.78) v1@2520.22,2942.17 ; v1(2739.55,2495.65) v1@2739.55,2497.43
  Bottom Layer w10: U3.1@264.76,2598.43 267.64,2601.3 267.64,2630.09 281.5,2643.95 v1(281.5,2647.64) ; U3.8@443.9,2598.43 v1(470.47,2598.43) ; v1(814.84,2492.13) U6.4@886.81,2492.13 ; U6.2@1128.94,2492.13 1318.82,2492.13 C14.1@1324.8,2486.14 1337.8,2486.14 1387.8,2536.13 v1(1387.8,2553.15) ; R18.1@1680.94,2545.2 1684.17,2541.97 R15.1@1828.96,2541.97 R16.1@1902.97,2541.97 R17.1@1976.98,2541.97 ; R19.1@1754.95,2543.94 v1(1754.95,2587.63) ; v1(1759.62,2424.13) 1804.22,2424.13 1837.15,2391.2 1837.15,2359.18 uSD.4@1847.9,2348.43 ; BLE1.1@2354.33,2092.52 2358.27,2096.46 2448.82,2096.46 2498.03,2145.67 2499.36,2144.34 2507.24,2144.34 v1(2509.84,2141.73) ; v1(4198.82,2362.2) U4.8@4257.87,2362.2 ; U4.1@4437.01,2362.2 4437.01,2346.46 4439.88,2343.58 4455.63,2343.58 v1(4467.5,2331.71)
VL53_GPIO: STM32H743.44 VL53.5 | length 218.6
  Top Layer w8: VL53.5@2150,2874.02 2150,2866.35 2181.58,2834.76 2181.58,2728.46 2182.83,2727.22 2182.83,2715.82 2192.91,2705.73 STM32H743.44@2192.91,2673.23
VL53_XSHUT: STM32H743.45 VL53.6 | length 275
  Top Layer w8: VL53.6@2050,2874.02 2062.99,2874.02 2090.55,2846.46 2117.1,2846.46 2165.59,2797.97 2165.59,2721.84 2165.84,2721.59 2165.84,2710.19 2171.32,2704.7 2171.32,2675.13 STM32H743.45@2173.23,2673.23
VSS: B_C1.3 C16.2 IC.6 J2.2 J2.3 J3.2 J3.3 R10.1 | length 1468.1
  Top Layer w12: C16.2@1425.2,2278.27 1428.23,2278.27 1442.23,2264.27 1442.23,2261.24 1444.62,2258.84 1444.62,2242.38 v2(1446.85,2240.15) 1446.85,2242.91 1461.91,2257.97 1481.39,2257.97 1486.22,2262.8 IC.6@1486.22,2275.59 1486.22,2288.39 1498.92,2301.09 1498.92,2304.96 1507.05,2313.09 1509.94,2313.09 1511.16,2314.31 1511.16,2420.61 1519.68,2429.13 R10.1@1511.81,2437.01 1511.81,2557.09 B_C1.3@1446.85,2622.05 ; v2(1755.5,2301.65) 1784.56,2330.71 1787.98,2330.71 1787.98,2327.16 1796.21,2318.94 1796.21,2309.3 v2(1806.91,2298.59) ; 1785.43,2330.71 1785.43,2434.7 1813.42,2462.69 1874.84,2462.69 1882.97,2454.57 1882.97,2417.32 ; v1(1818.71,2223.96) 1818.71,2237.02 1827.76,2246.06 ; J3.2@1845.47,2390.75 1846.17,2391.45 1876.55,2391.45 1882.97,2397.87 1882.97,2417.32 ; J3.3@1845.47,2416.34 1881.98,2416.34 1882.97,2417.32 ; J2.2@1873.03,2241.14 1856.3,2241.14 1855.41,2242.03 1831.79,2242.03 1827.76,2246.06 ; J2.3@1873.03,2266.73 1872.33,2266.03 1847.72,2266.03 1827.76,2246.06
  Bottom Layer w12: v2(1446.85,2240.15) 1470.2,2263.51 1470.2,2267.44 1506.63,2303.87 1742.63,2303.87 ; v2@1806.91,2295.45 1806.91,2235.76 v1(1818.71,2223.96)
pads on no net: BLE1.2 BLE1.3 BLE1.4 BLE1.5 BLE1.6 BLE1.7 BLE1.8 BLE1.9 BLE1.10 BLE1.11 BLE1.12 BLE1.13 BLE1.14 BLE1.15 BLE1.16 BLE1.17 BLE1.18 BLE1.21 BLE1.23 J1.16 J1.17 J1.18 J1.19 J1.MP1 J1.MP2 STM32H743.1 STM32H743.2 STM32H743.3 STM32H743.7 STM32H743.8 STM32H743.9 STM32H743.12 STM32H743.13 STM32H743.15 STM32H743.18 STM32H743.36 STM32H743.37 STM32H743.38 STM32H743.39 STM32H743.40 STM32H743.41 STM32H743.51 STM32H743.52 STM32H743.55 STM32H743.56 STM32H743.57 STM32H743.58 STM32H743.59 STM32H743.60 STM32H743.61 STM32H743.62 STM32H743.67 STM32H743.68 STM32H743.69 STM32H743.70 STM32H743.71 STM32H743.77 STM32H743.81 STM32H743.82 STM32H743.84 STM32H743.88 STM32H743.89 STM32H743.90 STM32H743.91 U.2 U.3 U.4 U.5 U.6 U.7 U.9 U.14 U.15 U.16 U.17 U.19 U.21 U.22

## Polygon pours and split planes (outlines as drawn)
VCC on Int2 (PWR) "VCC_L03_P006" (solid, pour order 6): 216 vertices, not listed, extent -265.76,1938.97 4868.1,3856.29
GND on Int1 (GND) "GND_L02_P007" (solid, pour order 7): 216 vertices, not listed, extent -265.76,1938.97 4868.1,3856.29

## Silkscreen, mask and mechanical layers (free items; w line width, h text height)
Top Overlay:
  text "VCC" at 1841.61,3095.55 h20
  text "SWCLK" at 1774.53,2896.73 h20 r90
  text "GND" at 1770.59,2808.15 h20 r90
  text "SWDIO" at 1682.17,2768.78 h20
  text "GND" at 1331.61,2684.13 h20 r90
  text "VCC" at 1788.46,2552.24 h20
  text "VC" at 1579.8,2471.54 h20
Bottom Overlay:
  text "Designed by: / Teodor Rosolowski" at 3803.15,2592.52 h10
Milling:
  drawing of 204 lines, arcs and shapes, not listed

## Text inside footprints (layer, text, board x,y; h text height)
BLE1: Bottom Overlay "GND" at 3081.61,2066.02 h20; Bottom Overlay "TX" at 3069.8,2361.3 h20; Bottom Overlay "VCC" at 2307.99,2062.09 h20; Bottom Overlay "RX" at 3065.87,2302.24 h20; Bottom Overlay "JDY-08 BLE Module" at 2668.23,2319.8 h20 r90; Bottom Overlay "PWRC" at 3101.3,2184.13 h20
uSD: Bottom Overlay "Pinami do zewnatrz PCB!" at 1637.01,2087.6 h19.68 r180; Bottom Overlay "DAT1" at 1679.33,2279.53 h19.68 r90; Bottom Overlay "DAT0" at 1723.63,2283.47 h19.68 r90; Bottom Overlay "VSS" at 1767.92,2279.53 h19.68 r90; Bottom Overlay "CLK" at 1811.22,2279.53 h19.68 r90; Bottom Overlay "VDD" at 1844.49,2275.59 h19.68 r90; Bottom Overlay "CMD" at 1874.02,2273.62 h19.68 r90; Bottom Overlay "CD/DAT3" at 1909.45,2251.97 h19.68 r90; Bottom Overlay "DAT2" at 2011.81,2210.63 h19.68 r90